# Altium PCB MB1605.PcbDoc (part 3 of 11) (continued)
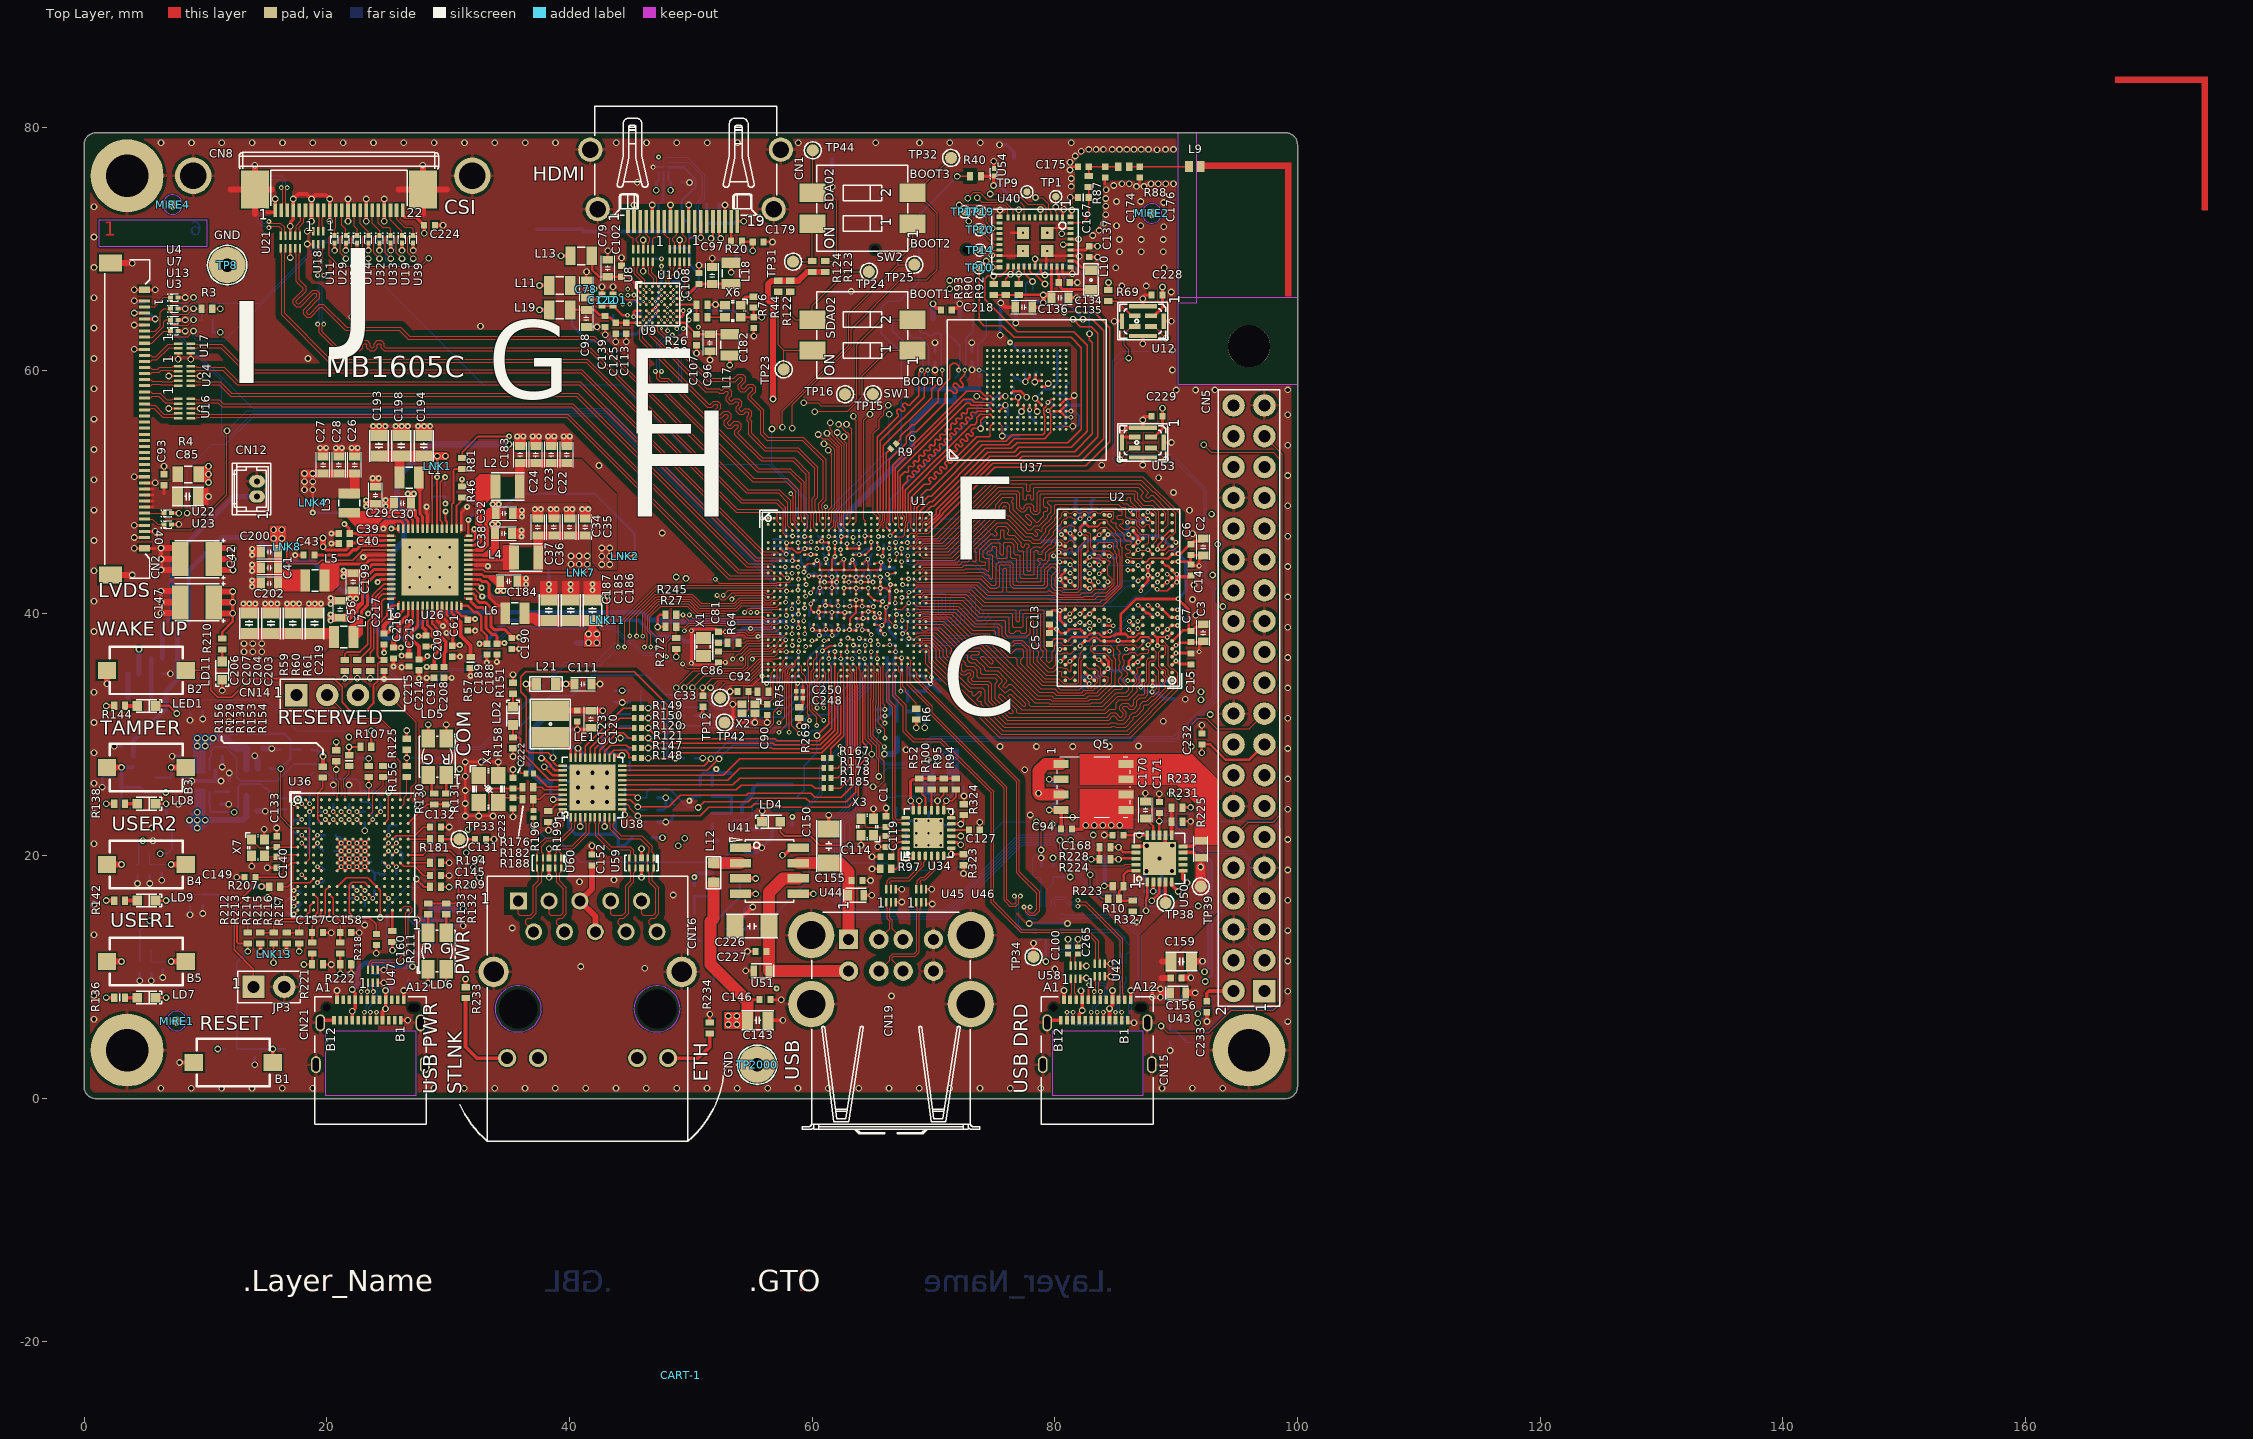
[diagram p0: Top Layer view]
## Part data (continued)
R231: library part MCD-00435, "Resistor, 24K, 0402, +/-1%, 1/16W", Manufacturer=YAGEO, Manufacturer_Part_Number=RC0402FR-0724KL, Package=0402, Component_Country_Of_Origin=China, ComponentLink1URL=http://tunmcdsvn.tun.st.com/Component_Documentation_Library/Trunk/Resistor/YAGEO_RC_L_Series, ID=2845, Internal_Part_Number=MCD-00435, Order_Code_Digikey=311-24KLRCT-ND, Order_Code_Farnell=N/A, Order_Code_RS=N/A, Part_Preference=Recommended, Part_Type=Resistor, ShowFields=YES, Status=Released
R232 R327: library part MCD-02265, "Resistor,100K,0402,0.5%,1/16W", Manufacturer=YAGEO, Manufacturer_Part_Number=RC0402DR-07100KL, Package=0402, Component_Country_Of_Origin=China, ID=4365, Internal_Part_Number=MCD-02265, Order_Code_Digikey=13-RC0402DR-07100KLTR-ND, Order_Code_Farnell=N/A, Order_Code_RS=N/A, Part_Preference=Recommended, Part_Type=Resistor, ShowFields=YES, Status=Released
  R232: ComponentLink1URL=http://tunmcdsvn.tun.st.com/Component_Documentation_Library/Trunk/Resistor/YAGEO_RC0402_Series
  R327: ComponentLink1URL=http://tunmcdsvn.tun.st.com/Component_Datasheet_Library/Trunk/Resistors/Yageo_Resistor_RC0402-series
R233 R234: library part MCD-00064, "Resistor,510R,0402,1%,1/16W", Manufacturer=YAGEO, Manufacturer_Part_Number=RC0402FR-07510RL, Package=0402, Component_Country_Of_Origin=China, ComponentLink1Description=Datasheet, ComponentLink1URL=http://tunmcdsvn.tun.st.com/Component_Documentation_Library/Trunk/Resistor/YAGEO_RC_L_Series, ECCN_EU=n/a, ECCN_US=n/a, ID=2525, Initial_Board_Reference=mb1274, Internal_Part_Number=MCD-00064, Order_Code_Digikey=311-510LRCT-ND, Order_Code_Farnell=1458804, Order_Code_RS=N/A, Part_Preference=Recommended, Part_Type=Resistor, Provided_By=SUBCO, ShowFields=YES, Status=Released
R240: library part MCD-00381, "Resistor, 1K3, 0402, +/-1%, 1/16W", Manufacturer=YAGEO, Manufacturer_Part_Number=RC0402FR-071K3L, Package=0402, Component_Country_Of_Origin=China, ComponentLink1URL=http://tunmcdsvn.tun.st.com/Component_Documentation_Library/Trunk/Resistor/YAGEO_RC_L_Series, ID=2898, Internal_Part_Number=MCD-00381, Order_Code_Digikey=YAG3036CT-ND, Order_Code_Farnell=1799176, Order_Code_RS=N/A, Part_Preference=Recommended, Part_Type=Resistor, ShowFields=YES, Status=Released
R241: library part MCD-00409, "Resistor, 1K8, 0402, +/-1%, 1/16W", Manufacturer=YAGEO, Manufacturer_Part_Number=RC0402FR-071K8L, Package=0402, Component_Country_Of_Origin=China, ComponentLink1URL=http://tunmcdsvn.tun.st.com/Component_Documentation_Library/Trunk/Resistor/YAGEO_RC_L_Series, ID=2871, Internal_Part_Number=MCD-00409, Order_Code_Digikey=311-1.80KLRCT-ND, Order_Code_Farnell=9239260, Order_Code_RS=N/A, Part_Preference=Recommended, Part_Type=Resistor, ShowFields=YES, Status=Released
R310 R313: library part MCD-00056, "Resistor,0R,0603,5%,1/10W", Manufacturer=YAGEO, Manufacturer_Part_Number=RC0603JR-070RL, Package=0603, Component_Country_Of_Origin=China, ComponentLink1Description=Datasheet, ComponentLink1URL=http://tunmcdsvn.tun.st.com/Component_Documentation_Library/Trunk/Resistor/YAGEO_RC_L_Series, ECCN_EU=n/a, ECCN_US=n/a, ID=2536, Initial_Board_Reference=mb1274, Internal_Part_Number=MCD-00056, Order_Code_Digikey=311-0.0GRCT-ND, Order_Code_Farnell=9233130RL, Order_Code_RS=N/A, Part_Preference=Recommended, Part_Type=Resistor, Provided_By=SUBCO, ShowFields=YES, Status=Released
R325: library part MCD-00182, "Resistor, 1M, 0402, +/-1%, 1/16W", Manufacturer=YAGEO, Manufacturer_Part_Number=RC0402FR-071ML, Package=0402, BMS_Part_Number=9131778, Component_Country_Of_Origin=China, ComponentLink1URL=http://tunmcdsvn.tun.st.com/Component_Documentation_Library/Trunk/Resistor/YAGEO_RC_L_Series, ID=2686, Internal_Part_Number=MCD-00182, Order_Code_Digikey=311-1.00MLRCT-ND, Order_Code_Farnell=9239588, Order_Code_RS=618-6194, Part_Preference=Recommended, Part_Type=Resistor, ShowFields=YES, Status=Released
SB1 SB2: library part MCD-00071, "Solder Bridge ON", Manufacturer=YAGEO, Manufacturer_Part_Number=RC0603JR-070RL, Package=SB0603, ComponentLink1Description=Datasheet, ComponentLink1URL=http://tunmcdsvn.tun.st.com/Component_Datasheet_Library/Trunk/Resistors/Yageo_Resistor_RC0603-series, ID=2521, Internal_Part_Number=MCD-00071, Part_Preference=Recommended, Part_Type=Misc, ShowFields=YES, Status=Released
SW1 SW2: library part MCD-00658, "Dip Switch ,2Position ,Surface Mount Slide (Standard) ,2.54 pitch,25mA 24VDC", Manufacturer=C&K, Manufacturer_Part_Number=SDA02H1SBD, Package=DIP, Component_Country_Of_Origin=Malaysia, ComponentLink1URL=http://tunmcdsvn.tun.st.com/Component_Documentation_Library/Trunk/Misc/C&K_SDA02H1SBD, ID=3090, Internal_Part_Number=MCD-00658, Order_Code_Digikey=N/A, Order_Code_Farnell=N/A, Order_Code_RS=N/A, Part_Preference=Recommended, Part_Type=Misc, ShowFields=YES, Status=Released
TP1 TP9 TP10 TP14 TP17 TP18 TP19 TP20: library part MCD-00631, "Test Point 0.6mm", Manufacturer=N/A, ComponentLink1Description=Datasheet, ECCN_EU=n/a, ECCN_US=n/a, ID=3108, Initial_Board_Reference=MB1264, Internal_Part_Number=MCD-00631, Manufacturer_Part_Number=N/A, Order_Code_Digikey=N/A, Order_Code_Farnell=N/A, Order_Code_RS=N/A, Part_Preference=Recommended, Part_Type=Misc, Provided_By=n/a, ShowFields=YES, Status=Released
TP2 TP3 TP4 TP5 TP6 TP7 TP11 TP12 TP13 TP15 TP16 TP21 TP22 TP23 TP24 TP25 TP26 TP27 TP28 TP29 TP30 TP31 TP32 TP35 TP40 TP41 TP42 TP43 TP44: library part MCD-00074, "Test Point 1mm", Manufacturer=n/a, ComponentLink1URL=http://na, ID=2518, Internal_Part_Number=MCD-00074, Manufacturer_Part_Number=n/a, Order_Code_Digikey=N/A, Order_Code_Farnell=N/A, Order_Code_RS=N/A, Part_Preference=Recommended, Part_Type=Misc, ShowFields=YES, Status=Released
  TP2 TP3 TP4 TP5 TP6 TP7 TP11 TP12 TP13 TP15 TP16 TP22 TP23 TP24 TP25 TP30 TP31 TP32 TP35 TP40 TP41 TP42 TP43 TP44: ComponentLink1Description=Datasheet, ECCN_EU=n/a, ECCN_US=n/a, Initial_Board_Reference=MB1274, Provided_By=n/a
  TP21: ComponentLink1Description=Datasheet, ECCN_EU=n/a, ECCN_US=n/a, Provided_By=n/a
TP8 TP2000: library part MCD-00713, "Vero Technologies 1.02mm Black Terminal Post", Manufacturer=VERO, Manufacturer_Part_Number=20-2137, Component_Country_Of_Origin="United Kingdom", ComponentLink1URL=http://tunmcdsvn.tun.st.com/Component_Documentation_Library/Trunk/Misc/VERO_20-2137, ID=3032, Internal_Part_Number=MCD-00713, Order_Code_Digikey=N/A, Order_Code_Farnell=N/A, Order_Code_RS=101-2391, Part_Preference=Recommended, Part_Type=Misc, ShowFields=YES, Status=Released
  TP2000: ComponentLink1Description=Datasheet, ECCN_EU=n/a, ECCN_US=n/a, Provided_By=SUBCO
TP33: library part MCD-00074, "Test Point 1mm", Manufacturer=N/A, ComponentLink1URL=http://na, ID=2518, Internal_Part_Number=MCD-00074, Manufacturer_Part_Number=N/A, Order_Code_Digikey=N/A, Order_Code_Farnell=N/A, Order_Code_RS=N/A, Part_Preference=Recommended, Part_Type=Misc, ShowFields=YES, Status=Released
TP34 TP36 TP37 TP38 TP39: library part MCD-00074, "Test Point 1mm", Manufacturer=N/A, Manufacturer_Part_Number=n/a, ComponentLink1URL=http://na, ID=2518, Internal_Part_Number=MCD-00074, Order_Code_Digikey=N/A, Order_Code_Farnell=N/A, Order_Code_RS=N/A, Part_Preference=Recommended, Part_Type=Misc, ShowFields=YES, Status=Released
U1: library part MCD-03375, "MPU , 2xCortex-A35@1.5GHz, Cortex-M33@400MHz, TFBGA 14x14, pitch 0.5, 648KB SRAM, With Crypto", Manufacturer=STMICROELECTRONICS, Package=TFBGA, Component_Country_Of_Origin=Unknown, ComponentLink1URL=http://tunmcdsvn.tun.st.com/Component_Documentation_Library/Trunk/IC/STMICROELECTRONICS_STM32MP257FAK3, ID=5491, Internal_Part_Number=MCD-03375, Manufacturer_Part_Number=STM32MP257FAK3, Order_Code_Digikey=N/A, Order_Code_Farnell=N/A, Order_Code_RS=N/A, Part_Preference=Recommended, Part_Type=IC, ShowFields=YES, Status=Checked
U2: library part MCD-04160, "Memory, LPDDR4 SDRAM,1V8, 32Gbit, 2133MHz", Manufacturer=MICRON, Package=TFBGA-200, ComponentLink1URL=http://tunmcdsvn.tun.st.com/Component_Documentation_Library/Trunk/IC/MICRON_MT53E1G32D2FW-046-WT-C, ID=6276, Internal_Part_Number=MCD-04160, Manufacturer_Part_Number="MT53E1G32D2FW-046 WT:C", Order_Code_Digikey=557-MT53E1G32D2FW-046WT:C-ND, Order_Code_Farnell=N/A, Order_Code_RS=N/A, Part_Preference=Recommended, Part_Type=IC, ShowFields=YES, Status=New
U3 U4 U7 U11 U13 U14 U15 U19 U22 U23 U25 U27 U29 U31 U32 U33 U39 U54: library part MCD-03501, "ESD protection , 0201", Manufacturer=STMICROELECTRONICS, Manufacturer_Part_Number=ESDZL5-1F4, Package=0201, ComponentLink1URL=http://tunmcdsvn.tun.st.com/Component_Documentation_Library/Trunk/IC/STMICROELECTRONICS_ESDZL5-1F4, Full_Alternate_Internal_Part_Number=N/A, ID=5617, Internal_Part_Number=MCD-03501, Order_Code_Digikey=497-17544-2-ND, Order_Code_Farnell=ESDZL5-1F4, Order_Code_RS=163-7318, Part_Preference=Recommended, Part_Type=IC, ShowFields=YES, Status=New
U5 U6 U59 U60: library part MCD-00667, "4-line ESD protection for high speed lines", Manufacturer=STMICROELECTRONICS, Manufacturer_HQ_COO=EU, Package=uQFN-10L, BMS_Part_Number=9179041, Component_Country_Of_Origin=Philippines, ComponentLink1URL=http://tunmcdsvn.tun.st.com/Component_Documentation_Library/Trunk/Diode/STMICROELECTRONICS_HSP051-4M10, ID=3081, Internal_Part_Number=MCD-00667, Manufacturer_Part_Number=HSP051-4M10, Order_Code_Digikey=N/A, Order_Code_Farnell=N/A, Order_Code_RS=N/A, Part_Preference=Recommended, Part_Type=Diode, ShowFields=YES, Status=Released
  U5 U6: ComponentLink1Description=Datasheet, ECCN_EU=NEC, ECCN_US=EAR99, Provided_By="SUBCO with ST control"
U8 U10 U16 U21 U24: library part MCD-03059, "ESD protection & Common Filter High Speed serial Interfaces , 0.4 pitch", Manufacturer=STMICROELECTRONICS, Package=uQFN-10L, Component_Country_Of_Origin=China, ComponentLink1Description=Datasheet, ComponentLink1URL=http://tunmcdsvn.tun.st.com/Component_Documentation_Library/Trunk/IC/STMICROELECTRONICS_ECMF4-40A100N10, ID=5175, Internal_Part_Number=MCD-03059, Manufacturer_Part_Number=ECMF4-40A100N10, Order_Code_Digikey=497-ECMF4-40A100N10, Order_Code_Farnell=N/A, Order_Code_RS=N/A, Part_Preference=Recommended, Part_Type=IC, ShowFields=YES, Status=Checked
U9: library part MCD-02315, "MIPI/DSI Receiver with HDMI Transmitter", Manufacturer="ANALOG DEVICES", Package="WLCSP-49 pitch 0.5mm", Component_Country_Of_Origin=Singapore, ComponentLink1URL=http://tunmcdsvn.tun.st.com/Component_Documentation_Library/Trunk/IC/ANALOG_DEVICES_ADV7535BCBZ, ID=4421, Internal_Part_Number=MCD-02315, Manufacturer_Part_Number=ADV7535BCBZ, Order_Code_Digikey=N/A, Order_Code_Farnell=N/A, Order_Code_RS=N/A, Part_Preference=Recommended, Part_Type=IC, ShowFields=YES, Status=Checked
U12 U53: library part MCD-01715, "MEMS audio sensor omnidirectional digital microphone for industrial applications", Manufacturer=STMICROELECTRONICS, Manufacturer_HQ_COO=EU, Package=HCLGA-4LD, BMS_Part_Number=9177995, Component_Country_Of_Origin=Philippines, ComponentLink1Description=Datasheet, ComponentLink1URL=http://tunmcdsvn.tun.st.com/Component_Documentation_Library/Trunk/IC/STMICROELECTRONICS_IMP34DT05TR, ID=3815, Internal_Part_Number=MCD-01715, Manufacturer_Part_Number=IMP34DT05TR, Order_Code_Digikey=N/A, Order_Code_Farnell=N/A, Order_Code_RS=N/A, Part_Preference=Recommended, Part_Type=IC, ShowFields=YES, Status=Released
U17 U18 U42 U45 U46: library part MCD-03060, "ESD protection & Common Filter High Speed serial Interfaces , 0.4 pitch", Manufacturer=STMICROELECTRONICS, Package=uQFN-6, Component_Country_Of_Origin=China, ComponentLink1Description=Datasheet, ComponentLink1URL=http://tunmcdsvn.tun.st.com/Component_Documentation_Library/Trunk/IC/STMICROELECTRONICS_ECMF4-40A100N10, ID=5176, Internal_Part_Number=MCD-03060, Manufacturer_Part_Number=ECMF2-40A100N6, Order_Code_Digikey=497-ECMF2-40A100N6, Order_Code_Farnell=3993603, Order_Code_RS=N/A, Part_Preference=Recommended, Part_Type=IC, ShowFields=YES, Status=Checked
U20: library part MCD-02316, "5-line HDMI control line ESD protection", Manufacturer=STMICROELECTRONICS, Package="Flip Chip 9 bumps 0.4 mm pitch", Component_Country_Of_Origin=France, ComponentLink1URL=http://tunmcdsvn.tun.st.com/Component_Documentation_Library/Trunk/IC/STMICROELECTRONICS_HDMI05-CL02F3, ID=4422, Internal_Part_Number=MCD-02316, Manufacturer_Part_Number=HDMI05-CL02F3, Order_Code_Digikey=497-8885-2-ND, Order_Code_Farnell=3130057RL, Order_Code_RS=N/A, Part_Preference=Recommended, Part_Type=IC, ShowFields=YES, Status=Checked
U26: library part MCD-03000, "STPMIC2", Manufacturer=STMICROELECTRONICS, Package=VQFN, Component_Country_Of_Origin=Unknown, ComponentLink1Description=Datasheet, ComponentLink1URL=http://tunmcdsvn.tun.st.com/Component_Documentation_Library/Trunk/IC/STMICROELECTRONICS_STPMIC2, ID=5116, Internal_Part_Number=MCD-03000, Manufacturer_Part_Number=STPMIC25APQR, Order_Code_Digikey=N/A, Order_Code_Farnell=N/A, Order_Code_RS=N/A, Part_Preference=Recommended, Part_Type=IC, ShowFields=YES, Status=Released
U28: library part MCD-00170, "ESD protection 6V1", Manufacturer=STMICROELECTRONICS, Manufacturer_HQ_COO=EU, Manufacturer_Part_Number=ESDALC6V1-1U2, BMS_Part_Number=9151132, Component_Country_Of_Origin=China, ComponentLink1Description=Datasheet, ComponentLink1URL=http://tunmcdsvn.tun.st.com/Component_Datasheet_Library/Trunk/Diodes/STM_ESD_ESDALC6V1-1U2, ID=2696, Internal_Part_Number=MCD-00170, Part_Preference=Recommended, Part_Type=Diode, ShowFields=YES, Status=Released
U34: library part MCD-02348, "2xPort USB 2.0 Hi-Speed Hub Controller", Alternate_Manufacturer=N/A, Manufacturer=MICROCHIP, Package=24-SQFN, Alternate_Manufacturer_Part_Number=N/A, Component_Country_Of_Origin=Unknown, ComponentLink1URL=http://tunmcdsvn.tun.st.com/Component_Documentation_Library/Trunk/IC/MICROCHIP_USB2422-IMJ/, ID=4454, Internal_Part_Number=MCD-02348, Manufacturer_Part_Number=USB2422-I/MJ, Order_Code_Digikey=USB2422-I/MJ-ND, Order_Code_Farnell=2409613, Order_Code_RS=165-2143, Part_Preference=Recommended, Part_Type=IC, ShowFields=YES, Status=Checked
U35: library part MCD-02514, "LDO, 3.3V, 300mA, High input voltage: 2.5V to 28V, SOT23-5L", Manufacturer=STMICROELECTRONICS, Package=SOT23-5L, Component_Country_Of_Origin=Malaysia, ComponentLink1URL=http://tunmcdsvn.tun.st.com/Component_Documentation_Library/Trunk/IC/STMICROELECTRONICS_ST730M33R, ID=4620, Internal_Part_Number=MCD-02514, Manufacturer_Part_Number=ST730M33R, Order_Code_Digikey=N/A, Order_Code_Farnell=N/A, Order_Code_RS=N/A, Part_Preference=Recommended, Part_Type=IC, ShowFields=YES, Status=Released
U36: library part MCD-03851, "MCU, ARM Cortex-M7 32-bit, 512KB Flash, 276KB RAM, With Crypto", Manufacturer=STMICROELECTRONICS, Manufacturer_Part_Number=STM32F723IEK6, Package=BGA-176, Component_Country_Of_Origin=Philippines, ComponentLink1URL=http://tunmcdsvn.tun.st.com/Component_Documentation_Library/Trunk/IC/STMICROELECTRONICS_STM32F723IEK6, ID=5967, Internal_Part_Number=MCD-03851, Order_Code_Digikey=N/A, Order_Code_Farnell=2725149, Order_Code_RS=N/A, Part_Preference=Recommended, Part_Type=IC, ShowFields=YES, Status=Checked
U37: library part MCD-04155, "Memory, eMMC, 3V3, 8Gbit, 52MHz , V5.1", Manufacturer=KIOXIA, Manufacturer_Part_Number=THGBMUG6C1LBAIL, Package=WFBGA153, ComponentLink1URL=http://tunmcdsvn.tun.st.com/Component_Documentation_Library/Trunk/IC/KIOXIA_THGBMUG6C1LBAIL, ID=6271, Internal_Part_Number=MCD-04155, Order_Code_Digikey=1853-THGBMUG6C1LBAIL-ND, Order_Code_Farnell=N/A, Order_Code_RS=N/A, Part_Preference=Recommended, Part_Type=IC, ShowFields=YES, Status=New
U38: library part MCD-01130, "10/100/1000M GIGABIT Ethernet Transceiver, QFN40 , SMPS version", Manufacturer=REALTEK, Component_Country_Of_Origin=Unknown, ComponentLink1Description=Datasheet, ComponentLink1URL=http://tunmcdsvn.tun.st.com/Component_Documentation_Library/Trunk/IC/REALTEK_RTL8211F-CG, ECCN_EU=n/a, ECCN_US=n/a, ID=3370, Initial_Board_Reference=MB1272, Internal_Part_Number=MCD-01130, Manufacturer_Part_Number=RTL8211F-CG, Order_Code_Digikey=N/A, Order_Code_Farnell=N/A, Order_Code_RS=N/A, Part_Preference=Recommended, Part_Type=IC, Provided_By=SUBCO, ShowFields=YES, Status=Checked
U40: library part MCD-03465, "IC, IEEE802.11b/g/n W-LAN + Bluetooth 5.2(BR/EDR/BLE) module", Manufacturer=MURATA, Component_Country_Of_Origin=China?ISIMPORTED=TRUE, ComponentLink1URL=http://tunmcdsvn.tun.st.com/Component_Documentation_Library/Trunk/IC/MURATA_LBEE5KL1YN, ID=5581, Internal_Part_Number=MCD-03465, Manufacturer_Part_Number=LBEE5KL1YN-814, Order_Code_Digikey=490-LBEE5KL1YN-814TR-ND, Order_Code_Farnell=4035662, Order_Code_RS=N/A, Part_Preference=Recommended, Part_Type=IC, ShowFields=YES, Status=New
U41: library part MCD-00123, "IC,Dual-Channel-Power-Switch,500mA,100mR,SO8", Manufacturer=STMICROELECTRONICS, Manufacturer_HQ_COO=EU, BMS_Part_Number=9159012, Component_Country_Of_Origin=China, ComponentLink1URL=http://tunmcdsvn.tun.st.com/Component_Documentation_Library/Trunk/IC/STMICROELECTRONICS_STMPS2252MTR, ID=2746, Internal_Part_Number=MCD-00123, Manufacturer_Part_Number=STMPS2252MTR, Order_Code_Digikey=N/A, Order_Code_Farnell=N/A, Order_Code_RS=N/A, Part_Preference=Recommended, Part_Type=IC, ShowFields=YES, Status=Released
U43 U48: library part MCD-01207, "High power Transient voltage suppressor:25V/35A EOS and ESD transients protection.", Manufacturer=STMICROELECTRONICS, Manufacturer_HQ_COO=EU, Manufacturer_Part_Number=ESDA25P35-1U1M, Package=QFN1610, BMS_Part_Number=9179045, Component_Country_Of_Origin=China, ComponentLink1URL=http://tunmcdsvn.tun.st.com/Component_Documentation_Library/Trunk/Diode/STMICROELECTRONICS_ESDA25P35-1U1M, ID=3289, Internal_Part_Number=MCD-01207, Order_Code_Digikey=N/A, Order_Code_Farnell=N/A, Order_Code_RS=N/A, Part_Preference=Recommended, Part_Type=Diode, ShowFields=YES, Status=Released
U44 U51: library part MCD-01026, "High power transient voltage suppressor", Manufacturer=STMICROELECTRONICS, Manufacturer_HQ_COO=EU, Manufacturer_Part_Number=ESDA7P120-1U1M, Package=QFN1610, BMS_Part_Number=9179046, Component_Country_Of_Origin=China, ComponentLink1URL=http://tunmcdsvn.tun.st.com/Component_Documentation_Library/Trunk/Diode/STMICROELECTRONICS_ESDA7P120-1U1M, ID=2997, Internal_Part_Number=MCD-01026, Order_Code_Digikey=N/A, Order_Code_Farnell=N/A, Order_Code_RS=N/A, Part_Preference=Recommended, Part_Type=Diode, ShowFields=YES, Status=Released
U47 U57 U58: library part MCD-03060, "IC, ESD protection and Common Filter High Speed serial Interfaces, 10.7 GHz", Manufacturer=STMICROELECTRONICS, Package=uQFN-6, Component_Country_Of_Origin=China, ComponentLink1Description=Datasheet, ComponentLink1URL=http://tunmcdsvn.tun.st.com/Component_Documentation_Library/Trunk/IC/STMICROELECTRONICS_ECMF4-40A100N10, ID=5176, Internal_Part_Number=MCD-03060, Manufacturer_Part_Number=ECMF2-40A100N6, Order_Code_Digikey=497-ECMF2-40A100N6, Order_Code_Farnell=3993603, Order_Code_RS=N/A, Part_Preference=Recommended, Part_Type=IC, ShowFields=YES, Status=Released
U49: library part MCD-00159, "500mA, Enhanced single channel power switches with active high enable pin", Alternate_Manufacturer="TEXAS INSTRUMENTS", Alternate_Manufacturer_Part_Number=TPS2051C, Manufacturer=STMICROELECTRONICS, Manufacturer_HQ_COO=EU, BMS_Part_Number=9159009, Component_Country_Of_Origin=Malaysia, ComponentLink1Description=Datasheet, ComponentLink1URL=http://tunmcdsvn.tun.st.com/Component_Documentation_Library/Trunk/IC/STMICROELECTRONICS_STMPS2151STR, ID=2708, Initial_Board_Reference=MB1264, Internal_Part_Number=MCD-00159, Manufacturer_Part_Number=STMPS2151STR, Order_Code_Digikey=497-6934-2-ND, Order_Code_Farnell=1842616, Order_Code_RS=880-5415, Part_Preference=Recommended, Part_Type=IC, Provided_By=Subcon, ShowFields=YES, Status=Released
U50: library part MCD-02130, "USB Type-C Port Protection for USB DRP Power Delivery, PPS compliant", Manufacturer=STMICROELECTRONICS, Manufacturer_HQ_COO=EU, Package=QFN-20L, Component_Country_Of_Origin=Unknown, ComponentLink1URL=http://tunmcdsvn.tun.st.com/Component_Documentation_Library/Trunk/IC/STMICROELECTRONICS_TCPP03-M20, ID=4230, Internal_Part_Number=MCD-02130, Manufacturer_Part_Number=TCPP03-M20, Order_Code_Digikey=N/A, Order_Code_Farnell=N/A, Order_Code_RS=N/A, Part_Preference=Recommended, Part_Type=IC, ShowFields=YES, Status=Released
U52: library part MCD-02532, "IC, eFuse with Fast Overvoltage Protection 2.7V to 18V 4A 34mOhm 8-Pin WSON", Manufacturer="TEXAS INSTRUMENTS", Package=WSON8, ComponentLink1URL=http://tunmcdsvn.tun.st.com/Component_Documentation_Library/Trunk/IC/TEXAS_INSTRUMENTS_TPS259535DSG, ID=4638, Internal_Part_Number=MCD-02532, Manufacturer_Part_Number=TPS259535DSG, Order_Code_Digikey=N/A, Order_Code_Farnell=N/A, Order_Code_RS=N/A, Part_Preference=Recommended, Part_Type=IC, ShowFields=YES, Status=Checked
U56: library part MCD-02300, "Switch USB3.1 Superspeed 10 Gbps , Gen1 and Gen2", Alternate_Manufacturer=N/A, Manufacturer="ON SEMICONDUCTOR", Package=QFN, Alternate_Manufacturer_Part_Number=N/A, Component_Country_Of_Origin=Thailand, ComponentLink1URL=http://tunmcdsvn.tun.st.com/Component_Documentation_Library/Trunk/IC/ON_SEMICONDUCTOR_FUSB340TMX, ID=4400, Internal_Part_Number=MCD-02300, Manufacturer_Part_Number=FUSB340TMX, Order_Code_Digikey=FUSB340TMXTR-ND, Order_Code_Farnell=3360109, Order_Code_RS=N/A, Part_Preference=Recommended, Part_Type=IC, ShowFields=YES, Status=Checked
X1: library part MCD-01479, "Crystal, 32.768kHz, 6pF, +/-20ppm, 80K, 2.05x1.2mm", Manufacturer=NDK, Manufacturer_Part_Number=NX2012SA-32.768KHZ-EXS00A-MU00527, Package=2.05x1.2mm, BMS_Part_Number=9157049, Component_Country_Of_Origin=Unknown, ComponentLink1URL=http://tunmcdsvn.tun.st.com/Component_Documentation_Library/Trunk/Crytal_Oscillator/NDK_NX2012SA_Series, ID=3579, Internal_Part_Number=MCD-01479, Order_Code_Digikey=644-1352, Order_Code_Farnell=N/A, Order_Code_RS=N/A, Part_Preference=Recommended, Part_Type=Crystal_Osc, ShowFields=YES, Status=Released
X2: library part MCD-02344, "Crystal, 40MHz, 6pF, +/-20ppm, 80R, 1.6x1.2mm", Manufacturer=NDK, Manufacturer_Part_Number=NX1612SA-40MHZ-EXS00A-CS13836, Package=1.6x1.2mm, Component_Country_Of_Origin=Unknown, ComponentLink1URL=http://tunmcdsvn.tun.st.com/Component_Documentation_Library/Trunk/Crytal_Oscillator/NDK_NX1612SA_Series/, ID=4450, Internal_Part_Number=MCD-02344, Order_Code_Digikey=N/A, Order_Code_Farnell=N/A, Order_Code_RS=N/A, Part_Preference=Recommended, Part_Type=Crystal_Osc, ShowFields=YES, Status=Checked
X3: library part MCD-01036, "Crystal 24MHz, 6pF, +-20ppm, 80ohms max, SMD", Alternate_Manufacturer=N/A, Manufacturer=NDK, Manufacturer_Part_Number=NX2016SA-24MHZ-EXS00A-CS10820, Package=2x1.6mm, Alternate_Manufacturer_Part_Number=N/A, BMS_Part_Number=9157045, Component_Country_Of_Origin=Unknown, ComponentLink1Description=Datasheet, ComponentLink1URL=http://tunmcdsvn.tun.st.com/Component_Documentation_Library/Trunk/Crytal_Oscillator/NDK_NX2016SA_Series, ID=2989, Internal_Part_Number=MCD-01036, Order_Code_Digikey=644-1365, Order_Code_Farnell=N/A, Order_Code_RS=N/A, Part_Preference=Recommended, Part_Type=Crystal_Osc, Provided_By=SUBCO, ShowFields=YES, Status=Released
X4: library part MCD-01463, "Crystal 25Mhz, 10pF, -+50PPM, SMD", Manufacturer=NDK, Manufacturer_Part_Number=NX3225GA-25MHZ-EXS00A-CG06750, Package=3.2x2.5mm, BMS_Part_Number=9157035, Component_Country_Of_Origin=Unknown, ComponentLink1Description=Datasheet, ComponentLink1URL=http://tunmcdsvn.tun.st.com/Component_Documentation_Library/Trunk/Crytal_Oscillator/NDK_NX3225GA_Series, ID=3563, Initial_Board_Reference=MB1272B, Internal_Part_Number=MCD-01463, Order_Code_Digikey=644-1390, Order_Code_Farnell=N/A, Order_Code_RS=N/A, Part_Preference=Recommended, Part_Type=Crystal_Osc, Provided_By=SUBCO, Remark="footprint same as CRY_NX3225HA_4P", ShowFields=YES, Status=Checked
X6: library part MCD-01627, "Oscillator, SPXO, 24MHz, +/-50ppm, square wave, 3V3, 2x1.6mm", Manufacturer=NDK, Manufacturer_Part_Number=NZ2016SH-24MHZ-END4869F, Package=2x1.6mm, BMS_Part_Number=9157051, Component_Country_Of_Origin=Unknown, ComponentLink1URL=http://tunmcdsvn.tun.st.com/Component_Documentation_Library/Trunk/Crytal_Oscillator/NDK_NZ2016SH_Series, ID=3727, Internal_Part_Number=MCD-01627, Order_Code_Digikey=N/A, Order_Code_Farnell=N/A, Order_Code_RS=N/A, Part_Preference=Recommended, Part_Type=Crystal_Osc, ShowFields=YES, Status=Released
X7: library part MCD-01036, "Crystal, 24MHz, 6pF, +/-20ppm, 80R, 2x1.6mm", Manufacturer=NDK, Manufacturer_Part_Number=NX2016SA-24MHZ-EXS00A-CS10820, Package=2x1.6mm, BMS_Part_Number=9157045, Component_Country_Of_Origin=Unknown, ComponentLink1URL=http://tunmcdsvn.tun.st.com/Component_Documentation_Library/Trunk/Crytal_Oscillator/NDK_NX2016SA_Series, ID=2989, Internal_Part_Number=MCD-01036, Order_Code_Digikey=644-1365, Order_Code_Farnell=N/A, Order_Code_RS=N/A, Part_Preference=Recommended, Part_Type=Crystal_Osc, ShowFields=YES, Status=Released

## Free pads (board coordinates)
  round 6 hole 3.5: 1(3.55,76.05) 1(3.55,4) 1(96,4)
  round 3 hole 2.2 paste-2539.97 mask+0.05: 1(9,76.05) 1(32,76.05)
  round 3.5 hole 3.5 unplated: 1(96,62)

## Via types
v1: diameter 0.55, hole 0.35, Top Layer to Bottom Layer, 823 vias
v2: diameter 0.4, hole 0.2, Top Layer to Bottom Layer, 235 vias
v3: diameter 0.4, hole 0.2, Top Layer to Bottom Layer, tented both sides, 216 vias
v4: diameter 0.5, hole 0.2, Top Layer to Bottom Layer, 159 vias
v5: diameter 0.25/0.3 (per signal layer), hole 0.1, Top Layer to Signal Layer 1, tented both sides, 29 vias

## Nets (pads, with @x,y where several pads share a name; then routed paths per layer and width w, separated by ;. In a path a pad name is that pad's centre, name@x,y a point inside that pad or via, vN(x,y) a via of type N, cw(c..) or ccw(c..) an arc to the next point about the centre after c; other vN are vias at no path point)
1V0_AVDD_RGMII: C302.2 C306.2 C322.2 C323.2 R310.1 U38.3 U38.8 U38.38 | length 20.5
  Top Layer w0.2: v1(38.675,24.65) U38.38@39.45,24.65 ; v1(40.9,22.425) U38.3@40.9,23.2 ; v1(42.9,22.425) U38.8@42.9,23.2
  Signal Layer 2 w0.5: v1(38.675,24.65) 39.45,24.65 40.125,23.975 40.125,23.2 v1(40.9,22.425) v1(42.9,22.425)
  Bottom Layer w0.2: v1(40.9,22.425) 40.9,22.625 C322.2@41.3,23.025 ; C323.2@42.5,23.025 42.9,22.625 v1(42.9,22.425)
  Bottom Layer w0.3: C302.2@38.431,26.144 C302.2@38.45,26.125 38.45,24.943 38.675,24.718 v1(38.675,24.65) 38.723,24.698 38.948,24.698 39.17,24.92 39.195,24.92 39.3,25.025 C306.2@39.3,25.05
  Bottom Layer w0.5: C302.2@38.431,26.144 37.625,26.144 36.85,26.919 36.85,30.325 38.5,31.975 R310.1@39.475,31.975
1V0_DVDD_RGMII: C288.2 C295.2 R313.1 U38.21 | length 3.9
  Top Layer w0.2: U38.21@43.7,28.1 43.7,28.25 44.3,28.25 v1(44.325,28.275)
  Bottom Layer w0.3: R313.1@42.75,29.9 42.75,29.125 C288.2@42.575,28.95 42.7,28.95 43.208,28.442 43.608,28.442 C295.2@43.65,28.4 ; C295.2@43.627,28.423 43.727,28.323 44.277,28.323 v1(44.325,28.275)
1V0_RGMII: C120.2 C123.2 LE1.2 R310.2 R313.2 | length 6.9
  Top Layer w0.5: LE1.2@38.425,31.975 C123.2@40.65,31.975 C120.2@41.775,31.975 v1(42.75,31.975)
  Bottom Layer w0.3: R313.2@42.75,31.3 v1(42.75,31.975)
  Bottom Layer w0.5: R310.2@40.875,31.975 v1(42.75,31.975)
1V8: C118.2 C128.2 C193.2 C194.2 C198.2 C220.2 C236.2 C237.2 C238.2 C239.2 C240.2 C246.2 C253.2 L1.2 L11.2 L16.2 L17.2 L18.2 L19.2 LNK1.2 R101.2 R103.2 R104.2 R248.2 R267.2 R269.1 U1.1E1 U1.AD22 U1.AE23 U1.D18 U1.E17 U1.F20 U1.G5 U1.G7 U1.G9 U1.G19 U1.H6 U37.C6 U37.M4 U37.N4 U37.P3 U37.P5 | length 36.7
  Top Layer w0.15: U1.G5@58.375,44.825 v3(58.375,44.325) U1.H6@58.875,44.325 ; U1.G7@59.375,44.825 59.387,44.837 59.888,44.837 v3(59.9,44.85) 59.912,44.837 60.362,44.837 U1.G9@60.375,44.825 ; v3(59.875,41.675) U1.1E1@60.125,42.075 ; U1.E17@64.375,45.825 v3(64.35,46.375) ; U1.E17@64.377,45.828 v3(64.35,46.375) ; U1.D18@64.875,46.325 64.425,46.368 v3(64.35,46.375) ; U1.G19@65.375,44.825 65.775,44.707 v3(65.8,44.7) 65.809,44.777 U1.F20@65.875,45.325 ; U1.AD22@66.875,36.325 v3(67.375,36.325) U1.AE23@67.375,35.825 ; U37.P3@80.925,56.155 v2(81.325,56.155)
  Top Layer w0.2: LNK1.2@29.1,52.348 v1(29.1,52.95) ; U37.C6@75.425,57.655 75.602,57.832 75.877,57.832 v1(75.925,57.88) ; U37.M4@79.925,56.655 U37.N4@80.425,56.655 ; U37.P3@80.925,56.155 U37.N4@80.425,56.655 ; U37.P5@80.925,57.155 U37.N4@80.425,56.655
  Top Layer w0.3: v1(37.534,67.016) L11.2@38.327,67.016 ; v1(37.537,64.999) L19.2@38.33,64.999 ; v1(53.214,60.449) L17.2@53.214,61.242 ; v1(53.326,68.089) L18.2@53.326,68.882 ; R269.1@58.956,31.358 58.956,30.722 v1(58.958,30.72)
  Top Layer w0.64: C194.2@28,52.95 v1(29.1,52.95) v1(29.78,52.95)
  Top Layer w0.8: L1.2@25.995,51.175 25.995,52.9 26.045,52.95 C198.2@26.15,52.95
  Top Layer w0.9: C193.2@24.3,52.95 C198.2@26.045,52.95 ; C198.2@26.15,52.95 C194.2@28,52.95
  Bottom Layer w0.2: v1(37.537,64.999) v1@37.551,64.985 ; C220.2@59.609,44.406 59.684,44.481 59.684,44.633 v3(59.9,44.85) ; v3(64.35,46.375) 64.4,46.425 C239.2@64.4,46.837 ; 65.888,44.917 65.913,44.942 C238.2@65.913,45.676 ; R101.2@74.375,56.775 74.425,56.775 74.58,56.93 74.58,57.2 75.08,57.7 75.08,57.725 75.235,57.88 C118.2@75.26,57.88 ; R103.2@80.171,57.961 80.769,57.961 ; R104.2@80.175,55.355 80.69,55.355 80.885,55.55 80.885,55.998 81.061,56.174 ; 81.075,57.136 81.075,57.655 80.769,57.961 ; R248.2@81.107,58.98 80.952,58.825 80.952,58.144 80.769,57.961
  Bottom Layer w0.25: C253.2@67.375,34.925 C246.2@67.375,35.525 v3(67.375,36.325)
  Bottom Layer w0.3: v2@56.264,34.232 56.755,34.723 R267.2@57.323,34.723 ; C237.2@56.696,44.325 C236.2@57.35,44.325 v3(58.375,44.325) 58.375,44.352 58.475,44.452 58.475,44.675 C240.2@58.5,44.7 ; C118.2@75.26,57.88 v1(75.925,57.88) ; 81.061,56.174 80.867,56.368 80.867,56.928 81.075,57.136 81.306,57.136 81.325,57.155 C128.2@82.015,57.155
  Bottom Layer w0.5: v1@37.551,64.985 L16.2@38.45,64.985
  other v2: 56.245,34.213
1V8_FB: LNK1.1 U26.35 | length 5.1
  Top Layer w0.15: U26.35@28.7,46.97 28.7,49.311 28.675,49.336 28.675,51.473 LNK1.1@29.1,51.898
3V3: C31.1 C84.2 C115.2 C116.2 C126.2 C135.2 C136.2 C137.2 C182.2 C203.2 C204.2 C206.2 C207.2 C216.2 C224.2 C228.1 C229.1 C232.1 C334.1 C335.1 CN2.3 CN2.4 CN5.1 CN5.17 CN8.22 D1.1 L7.2 L13.2 L15.2 L21.2 R3.1 R13.1 R52.2 R69.1 R76.1 R89.1 R90.1 R91.1 R92.1 R93.1 R94.2 R95.2 R100.1 R105.2 R136.1 R138.2 R142.2 R144.1 R224.2 R228.2 U12.1 U26.3 U26.53 U34.1 U34.9 U34.18 U40.30 U40.36 U50.2 U53.1 U56.17 X6.4 | length 79.4
  Top Layer w0.1: R3.1@10.574,65.1 v1@11.226,65.1
  Top Layer w0.15: v4(23.41,39.977) 23.762,40.329 23.762,41.465 24.697,42.4 U26.53@25.33,42.4 ; U26.53@25.12,42.369 25.419,42.369 U26.53@25.45,42.4
  Top Layer w0.2: X6.4@54.113,64.395 C182.2@55.196,64.395 ; R76.1@55.196,65.185 C182.2@55.196,64.395 ; v1@55.846,64.395 C182.2@55.196,64.395 ; v1(67.757,19.789) 68.297,19.789 68.337,19.829 U34.1@68.337,20.006 ; v1(68.125,24.55) 68.125,24.455 68.337,24.243 U34.18@68.337,23.771 ; U34.9@71.47,21.638 v1(72.249,21.638) ; R93.1@74.95,66.226 R90.1@75.978,66.226 ; R90.1@75.978,66.229 R92.1@77.025,66.229 ; R92.1@77.025,66.232 79.044,66.232 v1(79.047,66.229) ; v1(82.993,19.723) 83.668,19.723 R228.2@83.668,20.723 ; v1(92.118,28.515) C232.1@92.118,29.19 92.81,29.19 94.083,27.917 95.997,27.917 CN5.17@97.27,29.19
  Top Layer w0.21: 26.473,39.598 26.7,39.825 U26.3@26.7,40.63
  Top Layer w0.25: v1(4.135,64.75) CN2.3@5,64.75 ; CN2.4@5,64.25 v1(5.865,64.25) ; v1(68.125,24.55) 68.125,26.153 68.271,26.3 68.733,26.3 R52.2@68.82,26.387 R100.1@69.837,26.387 R95.2@70.844,26.387 R94.2@71.85,26.387 ; U40.30@79.725,68.575 79.725,66.128 79.725,66.003 C135.2@79.728,66 ; U40.36@81.3,69.925 82.515,69.925 C137.2@82.84,70.25 v1(83.52,70.25) ; R69.1@84.416,66.631 v1(84.416,67.259) ; U53.1@87.925,54.52 88.2,54.52 88.875,55.195 C229.1@88.875,56.231 v1(88.875,56.886) ; U12.1@87.925,64.52 88.2,64.52 88.875,65.195 C228.1@88.875,66.231 v1(88.875,66.886)
  Top Layer w0.3: v1(1.841,8.327) R136.1@2.486,8.327 ; v1(1.841,16.327) R142.2@2.486,16.327 ; v1(1.841,24.294) R138.2@2.486,24.294 ; v1(1.841,32.361) R144.1@2.486,32.361 ; C216.2@25.475,37.175 C216.2@25.5,37.175 v4@26.085,37.175 ; CN8.22@26.25,73.222 26.25,72.799 26.426,72.623 27.377,72.623 27.895,72.105 27.92,72.105 28.025,72 v1@28.025,71.325 ; v1(39.302,69.456) L13.2@40.095,69.456 ; C136.2@78.132,65.231 78.685,65.231 v1(79.047,65.593) ; v1(79.047,66.229) v1@79.052,66.224 ; v1(88.113,17.097) U50.2@88.113,17.873
  Top Layer w0.4: C216.2@25.5,37.175 25.514,37.189 25.514,37.685 25.96,38.131 25.96,39.085 26.473,39.598 ; v1@79.052,65.593 v1@79.052,66.224 ; v1@79.057,66.22 C135.2@79.557,66.22
  Top Layer w0.5: v1(36.415,34.17) L21.2@37.27,34.17 ; v1@79.052,66.224 v1@79.057,66.22 ; C135.2@79.557,66.22 79.581,66.195 79.658,66.195 79.725,66.128 79.728,66.125 C135.2@79.728,66
  Top Layer w0.9: C206.2@13.587,38.323 C203.2@19,38.323 20.362,38.323 L7.2@20.387,38.298
  Bottom Layer w0.2: R13.1@51.376,64.947 53.561,64.947 54.108,64.4 v1(55.851,64.4) ; v1(67.757,19.789) C116.2@67.757,20.405 ; C115.2@68.021,23.788 68.125,23.893 v1(68.125,24.55) ; C126.2@71.552,21.638 v1(72.249,21.638) ; v1(79.263,11.31) 79.265,11.313 79.265,12.036 C31.1@79.268,12.039 U56.17@79.268,13.096 ; R105.2@79.854,19.165 v1(79.854,19.84)
  Bottom Layer w0.25: v1(4.135,64.75) C84.2@4.979,64.75 5.069,64.66 5.455,64.66 v1(5.865,64.25) ; v1@39.3,69.458 v1(39.302,69.456)
  Bottom Layer w0.3: D1.1@38.25,69.458 v1@39.3,69.458 ; L15.2@46.77,21.5 v1(47.675,21.5) ; R89.1@78.164,65.734 78.202,65.696 78.876,65.696 78.979,65.593 v1(79.047,65.593) ; v1(79.047,66.229) 79.06,66.242 R91.1@80.045,66.242 ; C334.1@87.413,17.097 v1(88.113,17.097) C335.1@88.813,17.097
  other v1: 13.187,36.823 13.912,36.823 14.637,36.823 13.187,37.498 13.912,37.498 14.637,37.498 11.231,65.095 28.03,71.32
  other v4: 26.11,37.175
3V3_AVDD_RGMII: C309.2 C314.2 C317.2 C332.2 L15.1 U38.11 U38.40 | length 12.4
  Top Layer w0.2: v1(39.25,23.4) 39.25,23.85 U38.40@39.45,23.85 ; U38.11@44.35,23.85 44.55,23.85 v1(44.55,23.4)
  Bottom Layer w0.2: v1(39.25,23.4) 39.317,23.333 39.832,23.333 C309.2@39.945,23.22 ; C317.2@43.75,23.15 44.3,23.15 v1(44.55,23.4) C314.2@44.55,24.1
  Bottom Layer w0.3: C309.2@39.945,23.22 39.945,22.355 40.525,21.775 43.75,21.775 ; C317.2@43.75,23.15 43.75,21.775 ; L15.1@45.17,21.5 44.52,20.85 C332.2@44.025,20.85 44.025,21.5 43.75,21.775
3V3_DVDD_RGMII: C103.2 C104.2 C109.2 C111.2 C141.2 C280.1 C296.2 L21.1 R109.2 R110.2 R111.2 R112.2 R114.2 R191.2 R195.2 R233.2 R318.2 R319.1 U38.28 U38.29 | length 44.2
  Top Layer w0.2: U38.29@40.5,28.1 40.5,28.675 v1(40.7,28.875) 40.9,28.675 U38.28@40.9,28.1
  Top Layer w0.3: R233.2@31.44,9.186 v1(31.44,9.861)
  Top Layer w0.5: L21.1@38.87,34.17 v1(39.725,34.17) C111.2@40.42,34.17
  Signal Layer 3 w0.3: v1(31.44,9.861) 31.44,10.615 33.425,12.6 33.425,18.351 34.587,19.514 34.587,24.437 36.562,26.411 36.562,27.98 37.621,29.039 40.469,29.039 40.632,28.875 v1(40.7,28.875)
  Bottom Layer w0.2: R319.1@37.625,29.725 R318.2@38.65,29.725 39.63,29.725 39.825,29.53 C280.1@39.825,29 ; C104.2@43.675,33.626 v1(44.346,33.625) ; v1(44.346,33.625) R109.2@44.97,33.625 ; C141.2@49.41,28.065 v1(48.74,28.065) 48.07,28.065 R112.2@48.07,29.53 R111.2@48.07,30.545 R110.2@48.07,31.565 v1(48.74,31.565) C103.2@49.409,31.565
  Bottom Layer w0.25: R195.2@47.27,23.8 47.755,23.8 47.945,23.99 v1(47.945,24.8) 47.997,24.748 48.312,24.748 48.459,24.602 48.459,24.375 48.589,24.245 C109.2@48.614,24.245
  Bottom Layer w0.3: C280.1@39.825,29 39.902,28.923 40.652,28.923 v1(40.7,28.875) 40.7,28.85 C296.2@41.3,28.25 ; R191.2@47.27,24.8 v1(47.945,24.8)